# Altium PCB Evaluation Board.PcbDoc (part 21 of 22) (continued)
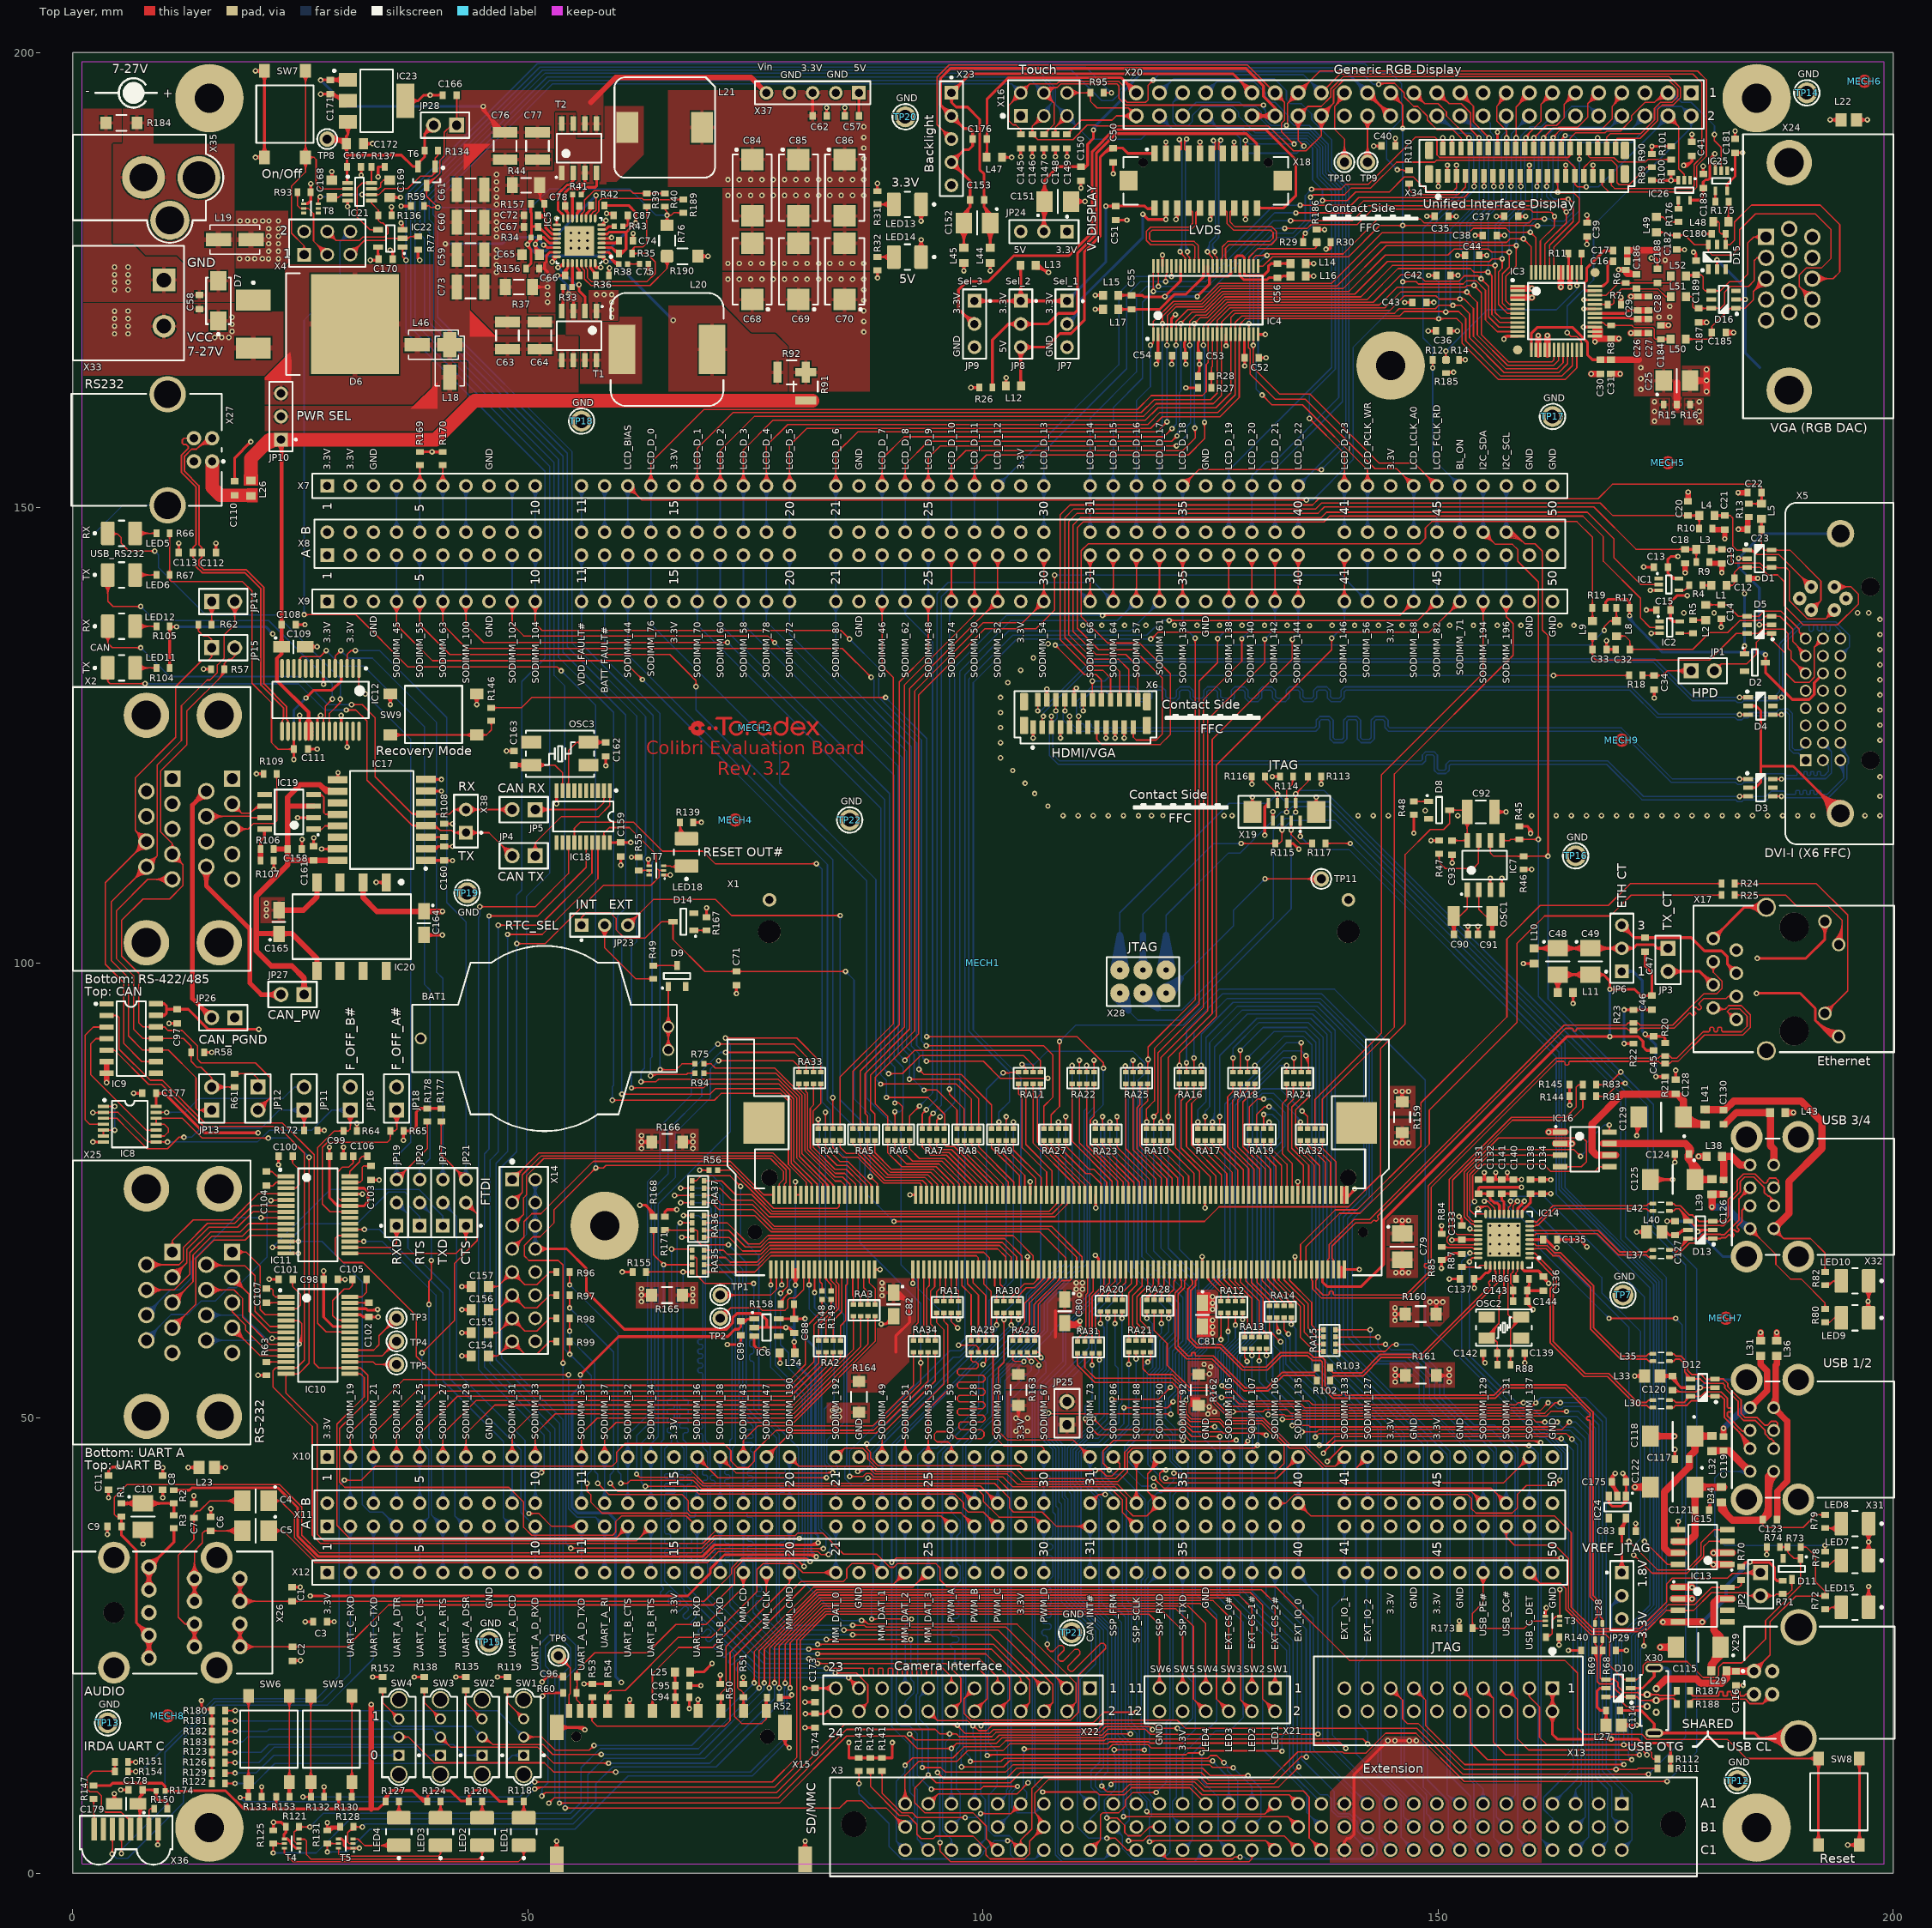
[diagram p0: Top Layer view]
## Nets (pads, with @x,y where several pads share a name; then routed paths per layer and width w, separated by ;. In a path a pad name is that pad's centre, name@x,y a point inside that pad or via, vN(x,y) a via of type N, cw(c..) or ccw(c..) an arc to the next point about the centre after c; other vN are vias at no path point) (continued)
USBH_S_P: R102.1 X1.139 | length 28.3
  Top Layer w0.178: X1.139@121.621,65.431 cw(c121.474,65.284) 121.682,65.284 cw(c121.89,65.284) X1.139@121.743,65.431 ; X1.139@121.682,66.316 121.682,65.201 121.808,65.075 121.808,64.458 121.095,63.745 121.095,57.763 122.363,56.495 125.138,56.495 128.638,52.995 131.312,52.995 132.992,54.675 136.375,54.675 ; R102.1@136.466,54.278 ccw(c136.104,54.404) 136.375,54.675 ; R102.1@136.925,54.356 136.694,54.356 136.375,54.675
V5FILT: C67.2 IC5.3 IC5.6 IC5.20 R34.1 R35.2 R42.2 R156.2 R157.2 | length 50
  Top Layer w0.3: R156.2@49.786,176.278 50.32,176.812 50.32,178.35 ; v1(49.95,178.925) 49.95,178.72 50.32,178.35 ; v1@49.95,179.075 ccw(c49.95,179.38) 50.166,179.164 ; v1@50.1,178.918 ccw(c50.853,178.883) 50.32,178.35 ; v1@50.1,178.925 cw(c50.519,178.925) 50.223,179.221 ; R34.1@50.186,179.663 cw(c49.358,179.541) 49.95,178.949 50.32,179.319 R34.1@50.32,179.708 50.368,179.756 50.368,180.899 ; R157.2@50.205,183.164 cw(c49.934,182.893) 50.317,182.893 ; R34.1@50.225,179.588 cw(c49.994,179.357) 50.32,179.357 cw(c50.646,179.357) R34.1@50.415,179.588 ; R34.1@50.225,179.828 ccw(c49.878,180.175) 50.368,180.175 ; 50.317,182.838 cw(c50.779,182.838) R157.2@50.453,183.164 ; R157.2@50.329,183.388 50.317,183.376 50.317,182.448 50.368,182.397 50.368,180.899 ; 50.372,179.37 ccw(c50.093,179.649) R34.1@50.483,179.707 ; 50.551,180.899 ccw(c50.551,181.464) C67.2@50.951,181.064 ; 50.668,180.899 cw(c50.668,180.499) C67.2@50.951,180.782 ; C67.2@51.092,180.573 cw(c51.092,179.606) 51.776,180.29 ; IC5.20@53.176,179.574 52.492,179.574 51.218,180.848 C67.2@51.092,180.848 51.042,180.899 50.368,180.899 ; IC5.3@58.076,178.574 59.195,178.574 59.838,177.931 R35.2@59.981,177.931 60.306,177.931 ; IC5.6@58.076,180.074 58.702,180.074 58.908,180.28 60.775,180.28 ; R42.2@58.383,183.209 61.06,183.209 61.825,182.444 v1(61.825,181.282) 60.823,180.28 60.775,180.28 ; R42.2@58.507,183.085 cw(c58.806,182.786) 58.806,183.209 cw(c58.806,183.631) R42.2@58.507,183.333 ; 59.267,178.502 ccw(c59.981,179.215) R35.2@59.981,178.206 ; R35.2@59.948,177.911 ccw(c60.072,178.37) 60.408,178.033 ; R35.2@60.027,178.2 ccw(c60.228,178.947) 60.775,178.4 ; R35.2@60.127,177.835 cw(c60.306,177.716) 60.306,177.931 ; R35.2@60.127,178.028 ccw(c60.306,178.146) 60.306,177.931 ; v1@61.675,181.282 cw(c61.313,181.282) 61.569,181.026 cw(c61.825,180.77) v1@61.825,181.132 ; v1@61.719,181.388 ccw(c61.463,181.644) 61.825,181.644 ccw(c62.187,181.644) v1@61.931,181.388 ; 60.306,177.931 60.775,178.4 ; 60.775,178.4 60.775,180.28
  Bottom Layer w0.3: v1(49.95,178.925) 49.95,178.825 51.116,177.659 58.202,177.659 v1(61.825,181.282) ; v1@50.1,178.925 ccw(c50.704,178.925) 50.277,178.498 ; v1@61.675,181.282 cw(c61.313,181.282) 61.569,181.026 cw(c61.825,180.77) v1@61.825,181.132
V_SUPPLY_FILT: C59.2 C60.2 C61.2 C63.2 C64.2 C73.2 C76.2 C77.2 C171.2 IC5.22 IC23.1 L18.2 L46.2 T1.5 T1.6 T2.5 T2.6 X37.5 | length 76.2
  Top Layer w0.3: v1@27.225,197.007 28.282,197.007 C171.2@28.294,196.994 IC23.1@30.216,196.995 IC23.1@30.216,196.995 ; v1@27.331,196.869 cw(c27.663,196.537) 27.663,197.007 ; 27.706,197.007 cw(c27.706,196.481) C171.2@28.078,196.853 ; 27.766,197.007 ccw(c27.766,197.447) C171.2@28.078,197.136 ; C171.2@28.469,196.821 cw(c28.777,196.287) 28.937,196.883 ; C171.2@28.469,197.167 ccw(c28.775,197.697) 28.933,197.106 ; C171.2@28.51,196.853 cw(c28.852,196.511) 28.852,196.994 cw(c28.852,197.477) C171.2@28.51,197.136 ; C171.2@28.515,196.994 ccw(c28.515,198.446) IC23.1@29.542,197.419 ; C171.2@28.52,196.994 cw(c28.52,195.549) IC23.1@29.542,196.571 ; C171.2@28.542,196.894 cw(c28.849,196.717) 28.757,197.059 ; C171.2@28.542,197.094 ccw(c28.845,197.269) 28.754,196.931 ; v1@44.935,194.081 ccw(c45.631,194.081) 45.139,193.589 ; v1@44.979,193.975 cw(c44.723,193.719) 45.085,193.719 cw(c45.447,193.719) v1@45.191,193.975 ; v1(45.085,194.081) 45.085,193.643 C76.2@47.49,191.238 ; v1@45.235,194.081 ccw(c46.655,194.081) 45.651,193.077 ; 45.441,193.287 cw(c43.393,191.238) C76.2@46.29,191.238 ; 45.954,192.774 cw(c44.417,191.238) C76.2@46.59,191.238 ; 46.466,192.262 cw(c45.441,191.238) C76.2@46.89,191.238 ; C76.2@46.978,191.75 cw(c46.466,191.238) C76.2@47.19,191.238 ; v1@51.73,178.718 cw(c51.781,178.221) 52.134,178.574 ; v1@51.841,178.765 51.943,178.765 52.134,178.574 ; IC5.22@53.176,178.574 52.134,178.574
  Top Layer w0.6: 56.9,194.525 59.65,197.275 74.505,197.275 X37.5@76.2,195.58
  Bottom Layer w0.3: v1@27.225,196.825 cw(c27.225,196.463) 27.481,196.719 cw(c27.737,196.975) v1@27.375,196.975 ; v1(27.225,196.975) 30.119,194.081 v1(45.085,194.081) ; v1(40.919,178.994) 40.945,179.019 47.19,179.019 47.871,179.7 50.899,179.7 51.714,178.884 v1(51.714,178.867) ; v1@41.025,178.888 cw(c41.343,178.57) 41.343,179.019 ; v1@41.025,179.1 ccw(c41.22,179.295) 41.22,179.019 ; v1@44.979,193.975 ccw(c44.723,193.719) 44.723,194.081 ccw(c44.723,194.444) v1@44.979,194.187 ; 51.446,179.152 cw(c51.16,178.867) v1@51.564,178.867 ; 51.488,179.111 ccw(c51.714,179.337) v1@51.714,179.017
VCC_EXTRTC: C92.2 C93.2 D8.3 IC7.8 JP23.3 | length 184.8
  Top Layer w0.15: JP23.3@60.96,104.14 63.77,106.95 70.625,106.95 72.375,105.2 v1(84.3,105.2) ; JP23.3@60.96,104.515 ccw(c60.96,105.42) 61.6,104.78 ccw(c62.24,104.14) JP23.3@61.335,104.14 ; JP23.3@60.96,104.665 ccw(c60.96,105.932) 61.856,105.036 ccw(c62.752,104.14) JP23.3@61.485,104.14 ; JP23.3@60.96,104.815 ccw(c60.96,106.445) 62.112,105.292 ccw(c63.265,104.14) JP23.3@61.635,104.14 ; v1@84.141,105.041 ccw(c83.757,104.657) 83.757,105.2 ccw(c83.757,105.743) v1@84.141,105.359 ; v2(90.204,71.594) 124.325,71.594 125.931,73.2 140.159,73.2 143.675,76.716 143.675,90.6 146.375,93.3 146.375,111.9 149.131,114.656 150.606,114.656 151.264,115.314 D8.3@151.264,116.782 152.984,116.782 C92.2@153.187,116.578 IC7.8@153.187,113.436 C93.2@151.536,113.436 ; v2@90.364,71.435 cw(c90.748,71.051) 90.748,71.594 cw(c90.748,72.137) v2@90.364,71.753 ; D8.3@151.105,116.622 cw(c150.721,116.238) 151.264,116.238 cw(c151.807,116.238) D8.3@151.423,116.622 ; D8.3@151.623,116.622 cw(c152.007,116.238) 152.007,116.782 cw(c152.007,117.325) D8.3@151.623,116.941 ; C93.2@151.806,113.242 cw(c152.275,112.772) 152.275,113.436 cw(c152.275,114.1) C93.2@151.806,113.631 ; C92.2@152.834,115.45 cw(c151.98,114.596) 153.187,114.596 cw(c154.395,114.596) C92.2@153.541,115.45 ; C92.2@152.94,115.556 cw(c152.342,114.958) 153.187,114.958 cw(c154.032,114.958) C92.2@153.435,115.556 ; IC7.8@153.028,113.277 ccw(c152.644,112.893) 152.644,113.436 ccw(c152.644,113.98) IC7.8@153.028,113.595 ; IC7.8@153.028,114.095 ccw(c152.644,114.48) 153.187,114.48 ccw(c153.731,114.48) IC7.8@153.346,114.095
  Bottom Layer w0.15: v1@84.141,105.041 cw(c83.757,104.657) 84.3,104.657 cw(c84.843,104.657) v1@84.459,105.041 ; v1(84.3,105.2) 84.3,84.95 87.025,82.225 87.025,74.774 v2(90.204,71.594) ; v2@89.979,71.594 ccw(c89.436,71.594) 89.82,71.978 ccw(c90.204,72.362) v2@90.204,71.819
VCC_INTRTC: C71.2 D14.3 JP23.1 X1.40 | length 70.2
  Top Layer w0.15: JP23.1@55.735,104.799 ccw(c55.695,104.98) 55.88,104.98 ; JP23.1@55.88,104.14 55.88,104.98 ; JP23.1@56.025,104.799 cw(c56.065,104.98) 55.88,104.98 ; D14.3@65.572,104.362 ccw(c65.188,103.978) 65.188,104.521 ccw(c65.188,105.064) D14.3@65.572,104.68 ; D14.3@65.772,104.362 cw(c65.388,103.978) 65.931,103.978 cw(c66.475,103.978) D14.3@66.09,104.362 ; 72.128,99.06 ccw(c72.128,99.768) C71.2@72.629,99.267 ; 72.19,99.06 cw(c72.19,98.44) C71.2@72.629,98.879 ; C71.2@73.167,98.879 cw(c73.606,98.44) 73.606,99.06 ; C71.2@73.167,99.267 ccw(c73.668,99.768) 73.668,99.06 ; v1@84.728,98.901 ccw(c84.344,98.517) 84.344,99.06 ccw(c84.344,99.603) v1@84.728,99.219 ; v1(84.887,99.06) 69.444,99.06 65.931,102.572 D14.3@65.931,104.521 64.668,104.521 62.872,102.725 60.6,102.725 59.675,103.65 59.675,104.875 59.05,105.5 56.4,105.5 55.88,104.98 ; v1@87.605,76.305 cw(c87.605,75.762) 87.989,76.146 cw(c88.373,76.53) v1@87.83,76.53 ; v1(87.605,76.53) 88.382,75.753 X1.40@88.382,74.516 ; X1.40@88.311,75.412 ccw(c88.141,75.583) 88.382,75.583 ccw(c88.623,75.583) X1.40@88.453,75.412
  Bottom Layer w0.15: v1@84.887,98.835 cw(c84.887,98.292) 85.271,98.676 cw(c85.655,99.06) v1@85.112,99.06 ; v1(84.887,99.06) 85.825,98.122 85.825,85.076 87.605,83.296 v1(87.605,76.53) ; v1@87.446,76.689 ccw(c87.061,77.073) 87.605,77.073 ccw(c88.148,77.073) v1@87.764,76.689
VCC_ISO: C158.2 C161.2 C165.1 IC17.10 IC17.16 IC19.3 IC20.8 JP27.1 R106.2 | length 58.1
  Top Layer w0.3: R106.2@22.067,112.505 R106.2@22.072,112.5 ; C165.1@22.635,103.189 C165.1@22.671,103.225
  Top Layer w0.6: 20.35,103.225 C165.1@22.95,103.225 ; 21.764,103.225 cw(c21.764,102.318) C165.1@22.405,102.959 ; 21.938,103.225 ccw(c21.938,103.887) C165.1@22.405,103.419 ; R106.2@22.067,112.51 C158.2@23.591,112.51 ; C165.1@22.671,103.225 24.05,103.225 26.814,100.461 IC20.8@26.814,99.123 ; C165.1@22.865,102.959 cw(c23.507,102.318) 23.507,103.225 ; C165.1@22.865,103.419 ccw(c23.333,103.887) 23.333,103.225 ; JP27.1@25.029,96.891 ccw(c24.133,97.787) 25.4,97.787 ccw(c26.667,97.787) JP27.1@25.771,96.891 ; JP27.1@25.4,96.52 25.4,98.325 24.05,99.675 21.8,99.675 20.15,101.325 20.15,107.325 23.591,110.766 23.591,111.284 ; IC19.3@26.447,117.221 23.591,117.221 ; 27.282,119.418 ccw(c28.383,120.519) IC17.10@28.383,118.962 ; IC17.10@29.083,118.862 27.838,118.862 27.125,119.575 24.964,119.575 23.591,118.202 23.591,117.221 ; IC17.16@29.334,111.25 C161.2@26.45,111.25 23.625,111.25 23.591,111.284 ; 23.591,111.284 C158.2@23.591,112.51 ; C158.2@23.591,112.51 23.591,117.221
VCC_LVDS: C55.2 IC4.37 L17.2 | length 14.6
  Top Layer w0.3: L17.2@114.821,171.793 C55.2@116.332,171.793 119.403,171.793 121.067,173.457 122.301,173.457 124.21,175.366 IC4.37@124.21,176.546 ; L17.2@115.062,171.591 cw(c115.549,171.105) 115.549,171.793 cw(c115.549,172.481) L17.2@115.062,171.994 ; C55.2@116.116,171.651 ccw(c115.774,171.31) 115.774,171.793 ccw(c115.774,172.275) C55.2@116.116,171.934 ; C55.2@116.548,171.651 cw(c116.89,171.31) 116.89,171.793 cw(c116.89,172.275) C55.2@116.548,171.934
VCC_PLL: C56.2 IC4.29 L16.2 | length 9.3
  Top Layer w0.3: IC4.29@128.21,176.546 128.21,175.471 128.635,175.046 131.206,175.046 131.438,175.279 C56.2@132.334,175.279 132.759,175.279 132.944,175.463 ; C56.2@132.118,175.137 ccw(c131.776,174.796) 131.776,175.279 ccw(c131.776,175.761) C56.2@132.118,175.42 ; C56.2@132.531,175.437 ccw(c132.722,175.684) 132.944,175.463 ; 133.069,175.463 cw(c133.069,174.742) L16.2@133.578,175.252 ; 133.115,175.463 ccw(c133.115,176.118) L16.2@133.578,175.655 ; L16.2@133.82,175.454 133.81,175.463 132.944,175.463
VCC_USB1: C119.2 L32.2 R78.2 X31.U1 | length 36.9
  Top Layer w0.15: R78.2@192.326,35.511 ccw(c191.899,35.938) 192.503,35.938 ccw(c193.107,35.938) R78.2@192.68,35.511 ; R78.2@192.478,35.36 R78.2@192.503,35.334 v1(192.503,36.008) v1@192.503,36.133
  Top Layer w0.8: L32.2@180.086,46.406 C119.2@181.356,46.406 181.94,46.406 184.21,44.136 X31.U1@184.27,44.136 ; 183.655,44.691 ccw(c184.27,45.306) X31.U1@184.27,44.436
  Bottom Layer w0.15: X31.U1@183.828,43.694 ccw(c182.761,42.627) 182.761,44.136 ccw(c182.761,45.645) X31.U1@183.828,44.578 ; X31.U1@183.934,43.8 ccw(c183.123,42.989) 183.123,44.136 ccw(c183.123,45.283) X31.U1@183.934,44.472 ; X31.U1@184.04,43.906 ccw(c183.486,43.351) 183.486,44.136 ccw(c183.486,44.921) X31.U1@184.04,44.366 ; X31.U1@184.27,44.136 181.111,44.136 180.4,43.425 180.4,37.075 181.467,36.008 v1(192.503,36.008) ; v1@192.344,35.849 ccw(c191.96,35.465) 191.96,36.008 ccw(c191.96,36.552) v1@192.344,36.168
VCC_USB2: C123.2 L34.2 R79.2 X31.L1 | length 28.1
  Top Layer w0.15: C123.2@185.506,38.56 cw(c185.304,38.265) 185.661,38.265 ; C123.2@185.661,38.862 185.661,38.265 ; C123.2@185.816,38.56 ccw(c186.018,38.265) 185.661,38.265 ; R79.2@192.226,39.198 ccw(c191.799,38.771) 191.799,39.375 ccw(c191.799,39.979) R79.2@192.226,39.552 ; R79.2@192.466,39.412 R79.2@192.503,39.375 191.5,39.375 190.098,37.973 185.953,37.973 185.661,38.265
  Top Layer w0.8: L34.2@181.123,40.767 181.123,39.959 182.332,38.75 185.65,38.75 186.3,39.4 186.3,43.566 X31.L1@186.87,44.136 ; L34.2@181.223,40.738 ccw(c183.346,40.738) 181.845,39.237 ; C123.2@185.696,38.902 ccw(c184.239,40.359) 186.3,40.359 ; 186.3,42.035 cw(c188.971,42.035) X31.L1@187.082,43.924 ; X31.L1@186.57,44.136 cw(c185.846,44.136) 186.358,43.624 cw(c186.87,43.112) X31.L1@186.87,43.836
VCC_USB3: C126.2 L39.2 R80.2 X32.U1 | length 28.4
  Top Layer w0.15: X32.U1@184.27,70.181 cw(c184.27,68.672) 185.337,69.739 cw(c186.404,70.806) X32.U1@184.895,70.806 ; X32.U1@184.27,70.331 cw(c184.27,69.184) 185.081,69.995 cw(c185.892,70.806) X32.U1@184.745,70.806 ; X32.U1@184.27,70.481 cw(c184.27,69.696) 184.825,70.251 ; X32.U1@184.27,70.806 187.1,67.976 187.1,66.875 188.7,65.275 189.875,65.275 192.503,62.647 R80.2@192.503,61.981 ; X32.U1@184.595,70.806 ccw(c185.38,70.806) 184.825,70.251 ; R80.2@192.326,62.158 ccw(c191.899,62.585) 192.503,62.585 ccw(c193.107,62.585) R80.2@192.68,62.158
  Top Layer w0.8: L39.2@179.945,74.6 C126.2@181.356,74.6 ; v1(180.086,73.189) L39.2@180.086,74.6
  Bottom Layer w0.8: v1(180.086,73.189) 181.573,73.189 183.956,70.806 X32.U1@184.27,70.806 ; 183.222,71.54 ccw(c184.27,72.589) X32.U1@184.27,71.106
VCC_USB4: C130.2 L41.2 R82.2 X32.L1 | length 44.4
  Top Layer w0.15: X32.L1@186.87,70.181 cw(c186.87,68.672) 187.937,69.739 cw(c189.004,70.806) X32.L1@187.495,70.806 ; X32.L1@186.87,70.331 cw(c186.87,69.184) 187.681,69.995 cw(c188.492,70.806) X32.L1@187.345,70.806 ; X32.L1@186.87,70.481 cw(c186.87,69.696) 187.425,70.251 cw(c187.98,70.806) X32.L1@187.195,70.806 ; X32.L1@186.87,70.806 187.965,69.711 190.914,69.711 192.503,68.122 R82.2@192.503,66.045 ; R82.2@192.326,66.222 ccw(c191.899,66.649) 192.503,66.649 ccw(c193.107,66.649) R82.2@192.68,66.222
  Top Layer w0.8: L41.2@179.324,83.858 181.508,83.858 182.475,84.825 189.875,84.825 192.175,82.525 192.175,79.631 188.519,75.975 188.519,72.455 X32.L1@186.87,70.806 ; X32.L1@186.87,71.106 ccw(c186.87,71.83) 187.382,71.318 ccw(c187.894,70.806) X32.L1@187.17,70.806
VCC_USB5: C116.2 L29.2 R72.2 R73.2 X29.1 X30.1 | length 44.9
  Top Layer w0.15: X29.1@184.7,22.194 186.475,23.969 186.475,27.625 189.293,30.443 R72.2@192.503,30.443 192.503,30.972 ; X29.1@184.7,22.619 ccw(c184.7,23.645) 185.426,22.92 ccw(c186.151,22.194) X29.1@185.125,22.194 ; X29.1@184.7,22.769 ccw(c184.7,24.157) 185.682,23.176 ccw(c186.663,22.194) X29.1@185.275,22.194 ; X29.1@184.7,22.919 ccw(c184.7,24.669) 185.938,23.432 ccw(c187.175,22.194) X29.1@185.425,22.194 ; R73.2@189.835,35.819 190.458,35.819 191.475,34.802 191.475,32 192.503,30.972 ; R73.2@190.012,35.642 cw(c190.439,35.215) 190.439,35.819 cw(c190.439,36.422) R73.2@190.012,35.995 ; R72.2@192.226,30.266 ccw(c191.799,29.839) 191.799,30.443 ccw(c191.799,31.047) R72.2@192.226,30.62 ; R72.2@192.344,30.636 ccw(c192.068,30.972) 192.503,30.972 ; R72.2@192.662,30.636 cw(c192.938,30.972) 192.503,30.972
  Top Layer w0.8: X30.1@173.956,20.271 175.01,21.325 178.391,21.325 178.872,20.844 181.119,20.844 ; L29.2@181.653,22.178 cw(c179.829,22.134) 181.119,20.844 ; L29.2@181.688,22.194 182.626,22.194 X29.1@184.7,22.194 ; L29.2@181.688,22.244 181.688,21.413 181.119,20.844 ; X29.1@184.417,21.911 ccw(c183.734,21.228) 183.734,22.194 ccw(c183.734,23.16) X29.1@184.417,22.477
VDD_FAULT#: R94.2 X8.A11 X9.11 | length 86.2
  Top Layer w0.15: v1@63.518,87.549 cw(c63.999,87.068) 63.999,87.749 ; v1@63.624,87.443 cw(c64.361,86.706) 64.361,87.749 ; v1@63.652,87.749 67.424,87.749 67.559,87.884 R94.2@68.354,87.884 ; R94.2@68.206,87.736 ccw(c67.847,87.377) 67.847,87.884 ccw(c67.847,88.391) R94.2@68.206,88.032
  Bottom Layer w0.15: X9.11@55.403,139.223 cw(c54.25,138.07) 55.88,138.07 cw(c57.51,138.07) X9.11@56.357,139.223 ; X9.11@55.403,140.177 ccw(c54.25,141.33) 55.88,141.33 ccw(c57.51,141.33) X9.11@56.357,140.177 ; X8.A11@55.403,144.303 cw(c54.25,143.15) 55.88,143.15 cw(c57.51,143.15) X8.A11@56.357,144.303 ; X9.11@55.509,139.329 cw(c54.613,138.433) 55.88,138.433 cw(c57.147,138.433) X9.11@56.251,139.329 ; X9.11@55.509,140.071 ccw(c54.613,140.967) 55.88,140.967 ccw(c57.147,140.967) X9.11@56.251,140.071 ; X8.A11@55.509,144.409 cw(c54.613,143.513) 55.88,143.513 cw(c57.147,143.513) X8.A11@56.251,144.409 ; X9.11@55.615,139.435 cw(c54.975,138.795) 55.88,138.795 cw(c56.785,138.795) X9.11@56.145,139.435 ; X9.11@55.615,139.965 ccw(c54.975,140.605) 55.88,140.605 ccw(c56.785,140.605) X9.11@56.145,139.965 ; X8.A11@55.615,144.515 cw(c54.975,143.875) 55.88,143.875 cw(c56.785,143.875) X8.A11@56.145,144.515 ; X8.A11@55.88,144.78 X9.11@55.88,139.7 55.88,135.07 63.75,127.2 63.75,111.158 63.625,111.033 63.625,89.66 63.465,89.5 v1(63.465,87.602) ; v1@63.306,87.762 ccw(c62.922,88.146) 63.465,88.146 ccw(c64.008,88.146) v1@63.624,87.762
VGA_AVCC: C16.1 C17.1 C25.1 C26.2 C27.2 C28.2 C29.2 C30.2 C31.2 IC3.13 IC3.29 IC3.30 R15.2 R16.2 | length 41.8
  Top Layer w0.15: IC3.29@167.231,170.842 IC3.29@167.264,170.875
  Top Layer w0.3: IC3.13@160.231,167.342 160.231,169.132 160.93,169.83 164.744,169.83 166.4,168.174 166.4,166.8 166.941,166.259 C31.2@168.983,166.259 ; C30.2@167.609,166.118 ccw(c167.267,165.777) 167.267,166.259 ccw(c167.267,166.742) C30.2@167.609,166.401 ; IC3.29@167.906,170.842 171.108,170.842 171.206,170.744 172.524,170.744 ; IC3.30@167.906,171.342 170.533,171.342 170.851,171.66 C29.2@171.949,171.66 ; C30.2@168.041,166.118 cw(c168.383,165.777) 168.383,166.259 cw(c168.383,166.742) C30.2@168.041,166.401 ; C31.2@168.767,166.118 ccw(c168.425,165.777) 168.425,166.259 ccw(c168.425,166.742) C31.2@168.767,166.401 ; C26.2@171.732,170.602 ccw(c171.391,170.261) 171.391,170.744 ccw(c171.391,171.227) C26.2@171.732,170.885 ; C29.2@171.732,171.518 ccw(c171.391,171.177) 171.391,171.66 ccw(c171.391,172.143) C29.2@171.732,171.801 ; C26.2@172.165,170.602 cw(c172.507,170.261) 172.507,170.744 cw(c172.507,171.227) C26.2@172.165,170.885 ; 172.535,170.744 ccw(c172.535,171.227) 172.876,170.885 cw(c172.535,171.227) 172.535,170.744 ; 172.535,170.744 cw(c172.535,170.261) 172.876,170.602 ccw(c172.535,170.261) 172.535,170.744
  Top Layer w0.7: C30.2@167.825,166.259 C31.2@168.983,166.259 172.034,166.259 ; C16.1@170.772,177.052 170.772,178.278 174.075,178.278 ; C26.2@171.949,170.744 C27.2@173.093,170.744 ; C29.2@171.949,171.66 C28.2@173.093,171.66
  Top Layer w0.8: R16.2@176.225,161.05 176.225,163.725
  other v1: 172.268,162.989 172.268,164.189 172.268,165.39 174.275,170.95 175.45,170.95 175.45,172.125 174.939,177.206
VGA_BLUE: C184.1 IC3.28 L50.1 R8.2 | length 16.6
  Top Layer w0.15: IC3.28@167.231,170.342 168.133,170.342 168.444,170.031 ; IC3.28@167.934,170.289 cw(c168.063,170.161) 168.063,170.342 cw(c168.063,170.523) IC3.28@167.934,170.395 ; R8.2@168.677,169.901 ccw(c168.444,169.757) 168.444,170.031 ; R8.2@168.677,170.162 cw(c168.444,170.305) 168.444,170.031 ; R8.2@169.267,169.855 cw(c169.694,169.428) 169.694,170.031 cw(c169.694,170.635) R8.2@169.267,170.208 ; C184.1@174.163,168.353 ccw(c173.895,168.194) 173.895,168.506 ; C184.1@174.175,168.651 cw(c173.895,168.849) 173.895,168.506 ; C184.1@174.735,168.696 ccw(c174.978,168.963) 175.071,168.615 ccw(c175.177,168.219) C184.1@174.802,168.383 ; C184.1@174.744,168.299 cw(c175.245,167.798) L50.1@175.245,168.506 ; C184.1@174.744,168.687 ccw(c175.182,169.126) L50.1@175.182,168.506 ; C184.1@174.765,168.322 cw(c174.963,168.164) 175.029,168.409 cw(c175.119,168.743) C184.1@174.802,168.604 ; L50.1@175.28,168.251 ccw(c174.666,167.637) 174.666,168.506 ccw(c174.666,169.375) L50.1@175.28,168.761 ; L50.1@175.386,168.357 ccw(c175.028,167.999) 175.028,168.506 ccw(c175.028,169.013) L50.1@175.386,168.654 ; L50.1@175.535,168.506 173.895,168.506 ; 168.444,170.031 169.753,170.031 171.293,170.031 171.549,169.775 173.605,169.775 173.743,169.637 173.743,168.658 173.895,168.506
VGA_GREEN: C186.1 IC3.32 L51.1 R7.2 | length 14.8
  Top Layer w0.15: IC3.32@167.245,172.329 168.567,172.329 R7.2@168.892,172.329 ; IC3.32@167.934,172.395 ccw(c168.095,172.556) 168.095,172.329 ; R7.2@168.465,172.152 ccw(c168.038,171.725) 168.038,172.329 ccw(c168.038,172.932) R7.2@168.465,172.506 ; R7.2@168.642,172.329 169.154,172.329 ; R7.2@168.839,172.175 cw(c169.154,171.93) 169.154,172.329 ; R7.2@168.839,172.483 ccw(c169.154,172.728) 169.154,172.329 ; 171.004,174.05 ccw(c171.004,174.799) C186.1@171.533,174.269 ; 171.124,174.05 cw(c171.124,173.471) C186.1@171.533,173.881 ; 171.366,174.05 ccw(c171.366,174.437) C186.1@171.64,174.163 ; C186.1@171.775,174.05 174.15,174.05 175.003,173.197 ; 172.45,174.05 170.15,174.05 169.325,173.225 169.325,172.5 169.154,172.329 ; L51.1@175.225,173.052 ccw(c175.003,172.954) 175.003,173.197 ; L51.1@175.225,173.342 cw(c175.003,173.44) 175.003,173.197 ; L51.1@175.278,173.197 L51.1@175.555,173.197 175.003,173.197
VGA_RED: C188.1 IC3.34 L52.1 R6.2 | length 12.5
  Top Layer w0.15: IC3.34@167.212,173.362 IC3.34@167.231,173.342 168.467,173.342 169.817,174.692 R6.2@170.597,174.692 ; IC3.34@167.934,173.289 cw(c168.063,173.161) 168.063,173.342 cw(c168.063,173.523) IC3.34@167.934,173.395 ; R6.2@170.32,174.516 ccw(c169.893,174.089) 169.893,174.692 ccw(c169.893,175.296) R6.2@170.32,174.869 ; R6.2@170.851,174.692 R6.2@170.597,174.692 ; R6.2@170.874,174.516 cw(c171.3,174.089) 171.3,174.692 cw(c171.3,175.296) R6.2@170.874,174.869 ; L52.1@175.424,175.054 cw(c175.349,174.862) 175.555,174.862 ; L52.1@175.555,175.454 175.555,174.862 ; L52.1@175.686,175.054 ccw(c175.761,174.862) 175.555,174.862 ; R6.2@170.597,174.692 C188.1@174.089,174.692 175.385,174.692 175.555,174.862
VREF2: C74.2 IC5.4 | length 2.7
  Top Layer w0.3: IC5.4@58.076,179.074 59.61,179.074 ; C74.2@59.793,179.256 cw(c59.61,179.257) 59.61,179.074 ; C74.2@59.874,179.094 ccw(c59.754,178.93) 59.61,179.074 ; C74.2@59.993,179.457 59.61,179.074
VREF_JTAG: JP29.2 R111.2 R112.2 X13.1 X13.2 | length 50
  Top Layer w0.3: X13.2@162.136,17.356 cw(c161.136,16.356) 162.55,16.356 ; X13.2@162.136,18.204 ccw(c161.111,19.229) 162.56,19.229 ccw(c164.009,19.229) X13.2@162.984,18.204 ; X13.1@162.136,19.896 cw(c161.111,18.871) 162.56,18.871 cw(c164.009,18.871) X13.1@162.984,19.896 ; 162.55,16.307 cw(c164.033,16.307) X13.2@162.984,17.356 ; X13.2@162.55,17.77 162.55,15.25 163.075,14.725 v1(169,14.725) 171.925,14.725 172.375,14.275 175.05,14.275 175.533,13.792 R111.2@175.533,11.514 ; X13.2@162.56,17.78 X13.1@162.56,20.32 ; v1@168.894,14.619 ccw(c168.638,14.363) 168.638,14.725 ccw(c168.638,15.087) v1@168.894,14.831 ; v1@169.106,14.619 cw(c169.362,14.363) 169.362,14.725 cw(c169.362,15.087) v1@169.106,14.831 ; R111.2@175.409,11.738 ccw(c175.111,12.036) 175.533,12.036 ccw(c175.956,12.036) R111.2@175.657,11.738 ; R112.2@175.409,12.306 cw(c175.111,12.008) 175.533,12.008 cw(c175.956,12.008) R112.2@175.657,12.306 ; R112.2@175.409,12.754 ccw(c175.111,13.052) 175.533,13.052 ccw(c175.956,13.052) R112.2@175.657,12.754
  Bottom Layer w0.3: v1@168.894,14.831 ccw(c168.638,15.087) 169,15.087 ccw(c169.362,15.087) v1@169.106,14.831 ; v1(169,14.725) 169,29.3 JP29.2@170.18,30.48 ; JP29.2@169.58,30.48 cw(c168.131,30.48) 169.156,29.456 cw(c170.18,28.431) JP29.2@170.18,29.88
VREG3: C72.2 IC5.19 | length 6.1
  Top Layer w0.3: C72.2@51.068,182.111 cw(c51.32,181.705) 51.657,182.043 ; C72.2@51.121,182.101 51.599,182.101 ; C72.2@51.226,181.856 cw(c51.525,181.375) 51.925,181.775 ; C72.2@51.263,181.961 cw(c51.599,181.63) 51.599,182.101 ; C72.2@51.263,182.241 ccw(c51.599,182.572) 51.599,182.101 ; 52.453,180.249 ccw(c52.876,180.672) IC5.19@52.876,180.074 ; IC5.19@53.176,180.074 52.629,180.074 51.925,180.778 51.925,181.775 ; 51.599,182.101 51.925,181.775
VREG5: C65.2 IC5.10 IC5.21 R34.2 | length 23.6
  Top Layer w0.15: IC5.10@56.876,181.774 56.876,182.184 57.251,182.559 57.351,182.559 57.483,182.691 57.483,184.292 v1(57.475,184.3) ; IC5.10@56.951,182.074 cw(c57.398,182.074) 57.082,182.39 ; v1@57.316,184.141 cw(c56.913,183.738) 57.483,183.738 ; 57.483,183.776 cw(c57.999,183.776) v1@57.634,184.141
  Top Layer w0.3: v1@50.694,178.844 cw(c50.438,178.588) 50.8,178.588 cw(c51.162,178.588) v1@50.906,178.844 ; C65.2@50.8,178.155 ccw(c51.315,178.155) C65.2@51.173,177.66 ; 50.8,178.552 ccw(c51.428,178.552) C65.2@51.256,177.948 ; v1(50.8,178.95) ccw(c51.542,178.95) C65.2@51.338,178.237 ; 51.025,179.394 ccw(c50.736,179.683) R34.2@51.145,179.683 ; C65.2@51.054,177.988 C65.2@51.242,177.8 50.8,178.242 v1(50.8,178.95) 50.8,179.169 51.28,179.649 R34.2@51.28,179.708 51.722,179.708 52.356,179.074 IC5.21@53.176,179.074 ; R34.2@51.375,179.613 cw(c51.606,179.382) 51.606,179.708 cw(c51.606,180.034) R34.2@51.375,179.803
  Bottom Layer w0.3: v1@50.8,178.8 cw(c50.8,178.48) 51.026,178.706 ; v1@50.8,178.933 51.508,178.225 51.975,178.225 53.5,179.75 53.5,180.325 v1(57.475,184.3) ; v1@50.95,178.95 ccw(c51.354,178.95) 51.068,178.664 ; v1@57.325,184.3 cw(c56.963,184.3) 57.219,184.044 cw(c57.475,183.788) v1@57.475,184.15
VSTB: C167.2 C172.2 IC21.1 IC23.3 JP28.2 R134.2 T6.2 TP8.1 | length 43.4
  Top Layer w0.3: TP8.1@27.94,190.5 29.53,190.5 ; TP8.1@28.208,190.5 cw(c28.208,188.262) C172.2@29.791,189.845 ; TP8.1@28.235,190.23 cw(c28.849,189.668) 28.849,190.5 cw(c28.849,191.332) TP8.1@28.235,190.77 ; TP8.1@28.446,190.017 cw(c29.01,189.48) 29.211,190.231 cw(c29.457,191.148) TP8.1@28.584,190.775 ; TP8.1@28.456,190.027 cw(c29.53,189.044) 29.53,190.5 ; TP8.1@28.456,190.973 ccw(c29.53,191.956) 29.53,190.5 ; 28.932,190.5 cw(c28.932,188.986) C172.2@30.003,190.057 ; C172.2@29.657,190.5 cw(c29.657,189.711) C172.2@30.215,190.269 ; C172.2@29.688,190.102 ccw(c29.148,190.118) 29.53,190.5 ; C172.2@29.791,189.645 cw(c29.005,188.859) 30.116,188.859 ; IC23.3@29.807,191.956 cw(c28.931,191.016) 30.216,191.016 ; C172.2@29.814,190.361 ccw(c29.418,190.838) 30.038,190.838 ; C172.2@29.913,190.419 cw(c29.784,190.754) 29.53,190.5 ; C167.2@29.975,187.236 cw(c29.633,186.894) 30.116,186.894 cw(c30.599,186.894) C167.2@30.257,187.236 ; C167.2@29.975,187.668 ccw(c29.633,188.01) 30.116,188.01 ccw(c30.599,188.01) C167.2@30.257,187.668 ; 30.116,185.974 ccw(c30.476,185.974) IC21.1@30.221,185.719 ; 30.116,189.235 cw(c30.695,189.235) C172.2@30.286,189.645 ; C172.2@30.116,189.992 30.116,188.734 ; IC21.1@30.186,185.684 30.116,185.754 C167.2@30.116,187.452 30.116,188.734 ; IC23.3@30.202,192.409 IC23.3@30.216,192.395 30.216,191.016 ; C172.2@30.262,190.361 cw(c30.658,190.838) 30.038,190.838 ; IC23.3@30.625,191.956 ccw(c31.501,191.016) 30.216,191.016 ; T6.2@37.806,187.38 ccw(c37.55,187.124) 37.55,187.486 ccw(c37.55,187.848) T6.2@37.806,187.592 ; T6.2@37.912,187.986 ccw(c37.912,188.392) T6.2@38.199,188.105 ; T6.2@38.062,187.836 cw(c38.38,187.836) T6.2@38.155,188.061 ; R134.2@38.521,189.006 cw(c38.222,188.708) 38.645,188.708 cw(c39.067,188.708) R134.2@38.769,189.006 ; R134.2@38.521,189.454 ccw(c38.222,189.752) 38.645,189.752 ccw(c39.067,189.752) R134.2@38.769,189.454 ; JP28.2@38.954,191.942 cw(c37.88,191.81) 38.645,191.045 ; JP28.2@39.542,191.354 ccw(c39.41,190.28) 38.645,191.045 ; JP28.2@39.624,192.024 38.645,191.045 ; 29.53,190.5 C172.2@30.038,189.992 30.038,190.838 ; 30.038,190.838 30.216,191.016 ; 30.116,188.734 36.091,188.734 37.339,187.486 T6.2@37.912,187.486 37.912,187.818 38.645,188.551 R134.2@38.645,189.23 38.645,191.045
WE#: RA30.5 X3.A26 | length 86
  Top Layer w0.15: v2(94.31,9.22) 99.72,9.22 100.025,9.525 v2(103.784,9.525) ; v2@94.469,9.061 cw(c94.853,8.677) 94.853,9.22 cw(c94.853,9.763) v2@94.469,9.379 ; v2@103.625,9.366 ccw(c103.241,8.982) 103.241,9.525 ccw(c103.241,10.068) v2@103.625,9.684 ; RA30.5@103.762,61.416 cw(c103.464,61.117) 103.886,61.117 cw(c104.308,61.117) RA30.5@104.01,61.416 ; v1(103.886,60.808) RA30.5@103.886,61.54
  Bottom Layer w0.15: v2@94.085,9.22 ccw(c93.542,9.22) 93.926,9.604 ccw(c94.31,9.988) v2@94.31,9.445 ; v2(94.31,9.22) 92.775,10.755 92.775,15.325 91.946,16.154 90.971,16.154 90.465,16.66 90.465,33.889 90.497,33.92 90.497,34.355 90.465,34.387 90.465,47.165 102.998,59.698 103.303,59.698 103.886,60.281 ; v2@103.559,9.525 cw(c103.016,9.525) 103.4,9.141 cw(c103.784,8.757) v2@103.784,9.3 ; v1@103.73,60.645 cw(c103.382,60.281) 103.886,60.281 ; v2(103.784,9.525) 103.165,8.906 103.165,7.216 103.736,6.645 105.705,6.645 ; v1(103.886,60.808) 103.886,60.281 ; v1@104.042,60.645 ccw(c104.39,60.281) 103.886,60.281 ; X3.A26@106.01,7.536 cw(c104.948,7.402) 105.705,6.645 ; X3.A26@106.159,7.554 cw(c105.333,7.451) 105.922,6.862 cw(c106.511,6.273) X3.A26@106.614,7.099 ; X3.A26@106.308,7.573 cw(c105.718,7.499) 106.138,7.078 cw(c106.559,6.658) X3.A26@106.633,7.248 ; X3.A26@106.596,6.95 ccw(c106.462,5.888) 105.705,6.645 ; X3.A26@106.68,7.62 105.705,6.645